# Altium PCB HuaweiInverterMODBUS.PcbDoc (continued)
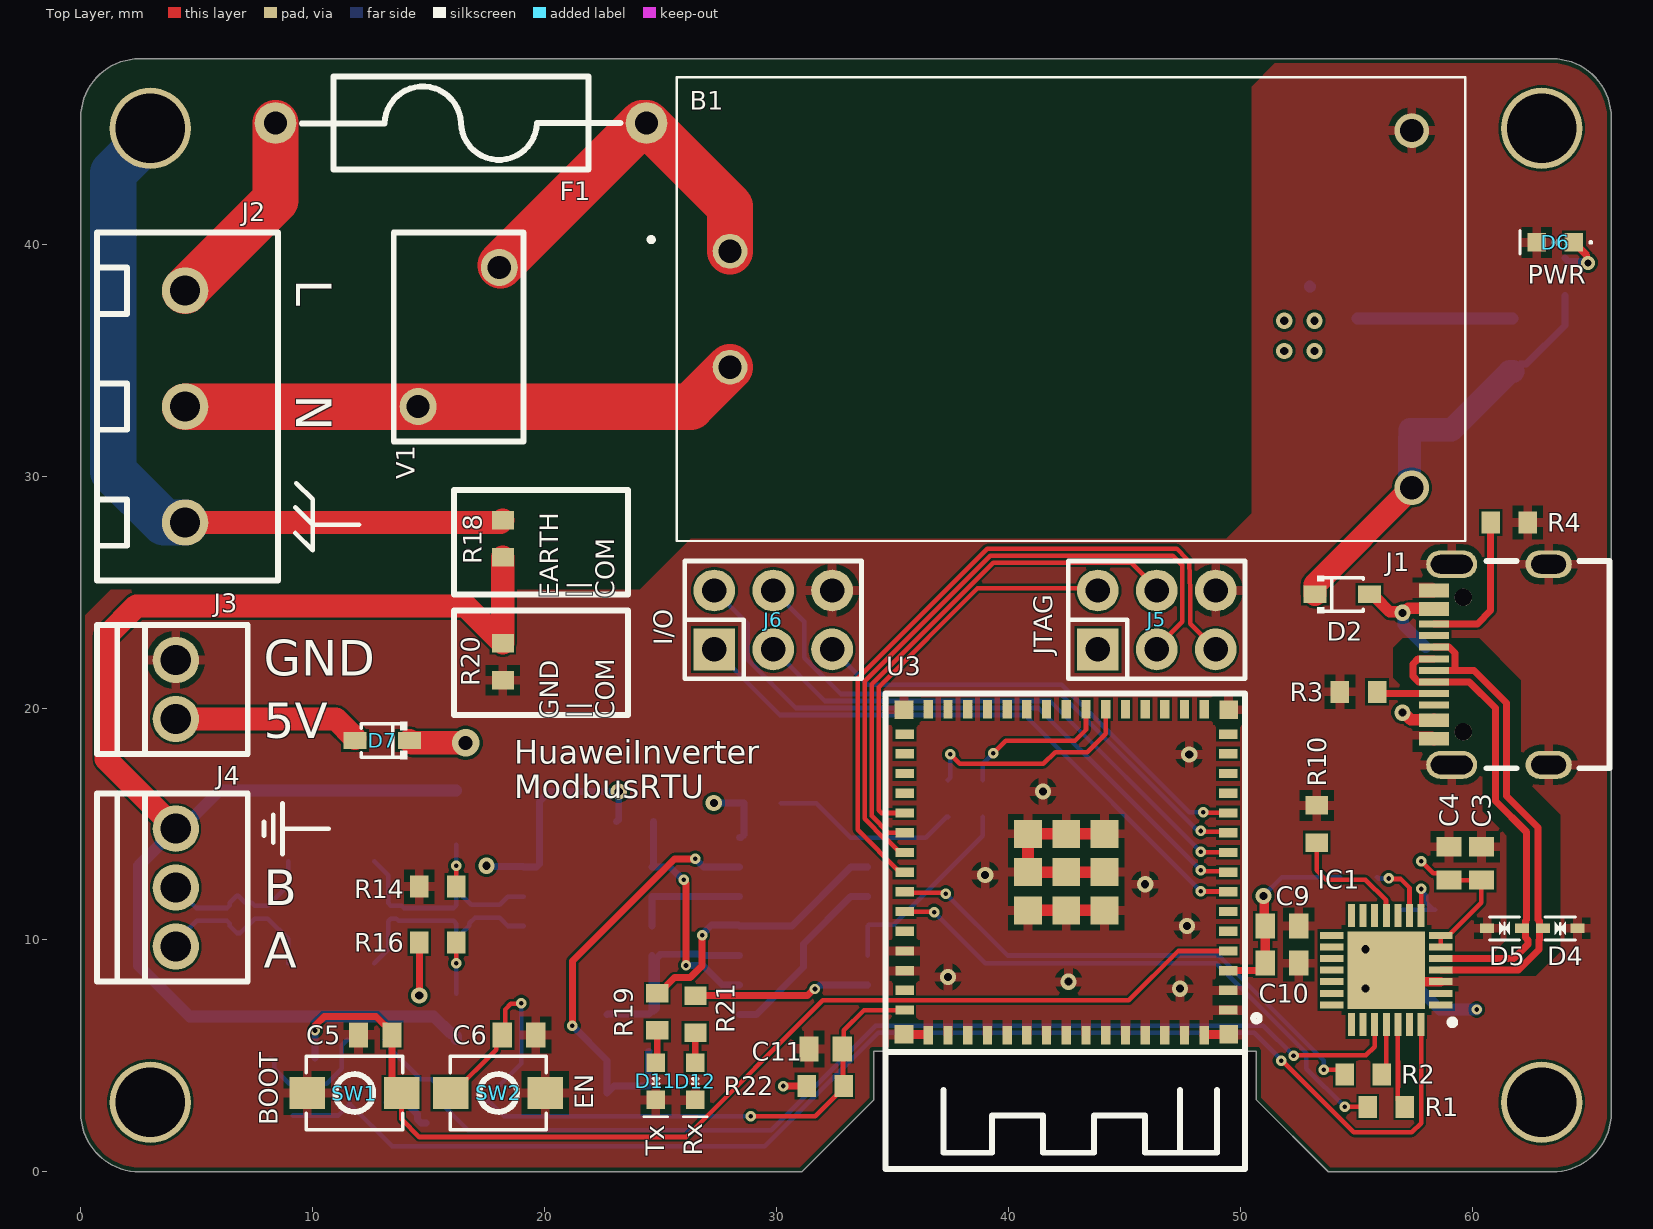
[diagram p0: Top Layer view]
## Components (designator, comment, footprint, x,y, rotation, side; value= is the part's Value field where it differs from the comment) (continued)
R11 "RES_0603_1KOHM_0.1W" RES0603N 55.1,12.7 r0 bottom value=1kΩ
R12 "RES_0603_4.7KOHM_0.1W" RES0603N 29.4,15.9 r180 bottom value=4.7kΩ
R13 "RES_0603_4.7KOHM_0.1W" RES0603N 23.9,15.1 r180 bottom value=4.7kΩ
R14 "RES_0603_4.7KOHM_0.1W" RES0603N 15.4,12.3 r180 top value=4.7kΩ
R15 "RES_0603_120OHM_0.1W" RES0603N 6.8,11.1 r90 bottom value=120Ω
R16 "RES_0603_4.7KOHM_0.1W" RES0603N 15.4,9.9 r0 top value=4.7kΩ
R17 "RES_0603_56KOHM_0.1W" RES0603N 24.5,6 r90 bottom value=56kΩ
R18 "RES_0603_0OHM_0.1W" RES0603N 18.2,27.3 r90 top value=0Ω
R19 "RES_0603_500OHM_0.1W" RES0603N 24.86,6.9 r270 top value=500Ω
R20 "RES_0603_0OHM_0.1W" RES0603N 18.2,22 r270 top value=0Ω
R21 "RES_0603_500OHM_0.1W" RES0603N 26.5,6.8 r270 top value=500Ω
R22 "RES_0603_10KOHM_0.1W" RES0603N 32.1,3.7 r180 top value=10kΩ
R23 "RES_0603_22OHM_0.1W" RES0603N 37.4,16.1 r90 bottom value=22Ω
R24 "RES_0603_22OHM_0.1W" RES0603N 38.8,16.1 r90 bottom value=22Ω
SW1 "HX TS342A2P WZ 250GF" SW-SMD_L4.0-W2.9-LS5.0 11.8,3.4 r0 top
SW2 "HX TS342A2P WZ 250GF" SW-SMD_L4.0-W2.9-LS5.0 18.001,3.401 r180 top
U1 "CD4069UBM/TR" SOIC-14_L8.7-W3.9-P1.27-LS6.0-BL 31.169,10.6 r270 bottom
U2 "MAX485EAS" SOP-8_L5.0-W4.0-P1.27-LS6.0-BL 21.868,11.235 r270 bottom
U3 "ESP32-S3-MINI-1-N4R2" BULETM-SMD_ESP32-S3-MINI-1-N8 42.5,12.925 r180 top
V1 "V275LA4P" RES-TH_L9.0-W5.6-P6.00-D1.0-S3.50 16.3,36 r90 top

## Footprints (in the part's own frame and the unit in brackets; to place one, negate y for a bottom-side part, rotate by r counter-clockwise, add the part's x,y. Pads: shape width x height; smd on the part's side, far side on the other; paste and mask are expansions set on the pad)
BULETM-SMD_ESP32-S3-MINI-1-N8 [mm]
  rect 0.8x0.4 smd paste+0 mask+0.05: 1(-6.975,5.95) 2(-6.975,5.1) 3(-6.975,4.25) 4(-6.975,3.4) 5(-6.975,2.55) 6(-6.975,1.7) 7(-6.975,0.85) 8(-6.975,0) 9(-6.975,-0.85) 10(-6.975,-1.7) 11(-6.975,-2.55) 12(-6.975,-3.4) 13(-6.975,-4.25) 14(-6.975,-5.1) 15(-6.975,-5.95) 31(6.975,-5.95) 32(6.975,-5.1) 33(6.975,-4.25) 34(6.975,-3.4) 35(6.975,-2.55) 36(6.975,-1.7) 37(6.975,-0.85) 38(6.975,0) 39(6.975,0.85) 40(6.975,1.7) 41(6.975,2.55) 42(6.975,3.4) 43(6.975,4.25) 44(6.975,5.1) 45(6.975,5.95)
  rect 0.4x0.8 smd paste+0 mask+0.05: 16(-5.95,-7.025) 17(-5.1,-7.025) 18(-4.25,-7.025) 19(-3.4,-7.025) 20(-2.55,-7.025) 21(-1.7,-7.025) 22(-0.85,-7.025) 23(0,-7.025) 24(0.85,-7.025) 25(1.7,-7.025) 26(2.55,-7.025) 27(3.4,-7.025) 28(4.25,-7.025) 29(5.1,-7.025) 30(5.95,-7.025) 46(5.95,7.025) 47(5.1,7.025) 48(4.25,7.025) 49(3.4,7.025) 50(2.55,7.025) 51(1.7,7.025) 52(0.85,7.025) 53(0,7.025) 54(-0.85,7.025) 55(-1.7,7.025) 56(-2.55,7.025) 57(-3.4,7.025) 58(-4.25,7.025) 59(-5.1,7.025) 60(-5.95,7.025)
  rect 0.8x0.8 smd paste+0 mask+0.05: GND(-7,7) GND(-7,-7) GND(7,7) GND(7,-7)
  rect 1.2x1.2 smd paste+0 mask+0.05: GND(-1.65,1.65) GND(-1.65,0) GND(-1.65,-1.65) GND(0,1.65) GND(0,0) GND(0,-1.65) GND(1.65,1.65) GND(1.65,0) GND(1.65,-1.65)
  silkscreen extent -8.34,-7.7 7.8,12.8, body extent -7.7,-7.75 7.7,12.75, height 2.4
CAP0608N [mm]
  rect 0.83x1.07 smd: 1(-0.72,0) 2(0.72,0)
  body extent -0.8,-0.53 0.8,0.53, height 0.8
CONN-TH_3P-P5.00_WJ126V-5.0-3P [mm]
  round 2 hole 1.3 paste+0 mask+0.051: 1(5,0) 2(-0.001,0) 3(-5,0)
  silkscreen extent -7.5,-4 7.5,3.8, body extent -7.5,-4 7.65,4, height 10
CONN-TH_XY308-2.54-2P [mm]
  round 2 hole 1.3 paste+0 mask+0.051: 1(-1.27,0) 2(1.27,0)
  silkscreen extent -2.78,-3.1 2.78,3.4, body extent -2.84,-3 2.69,3.27, height 8.5
CONN-TH_XY308-2.54-3P [mm]
  round 2 hole 1.3 paste+0 mask+0.051: 1(-2.54,0) 2(0,0) 3(2.54,0)
  silkscreen extent -4.05,-3.1 4.05,3.4, body extent -4.04,-2.98 4.03,3.29, height 8.55
F1812 [mm]
  rect 1.407x3.499 smd paste-100 mask+0.051: 1(-1.853,0) 2(1.853,0)
  silkscreen extent -2.79,-2.03 2.79,2.03, body extent -2.39,-1.65 2.34,1.76, height 0.48
FUSE_TH_3x10 [mm] "GLASS FUSE"
  round 1.8 hole 1 paste+0 mask+0.051: 1(-8.001,0.127) 2(7.999,0.127)
  silkscreen extent -6.87,-1.87 6.87,2.13, body extent -8.37,-1.35 8.38,1.65, height 3
HDR-TH_6P-P2.54-V-M-R2-C3-S2.54-1 [mm]
  rect 1.8x1.8 hole 1.05 paste+0 mask+0.051: 1(-2.54,-1.27)
  round 1.8 hole 1.05 paste+0 mask+0.051: 2(-2.54,1.27) 3(0,-1.27) 4(0,1.27) 5(2.54,-1.27) 6(2.54,1.27)
  silkscreen extent -3.81,-2.54 3.81,2.54, body extent -3.75,-2.62 3.75,2.47, height 10.54
HLKPM01 [mm]
  round 1.5 hole 1: 1(0,0) 2(0,-5) 3(29.4,5.2) 4(29.4,-10.2)
  silkscreen extent -3.5,-12.5 31.7,7.5, body extent -2.27,-12.54 31.73,7.46, height 15.05
LED0603 [mm]
  rect 0.8x0.8 smd: 1(-0.8,0) 2(0.8,0)
  silkscreen extent -1.57,-0.51 1.52,0.51, body extent -0.8,-0.4 0.8,0.4, height 0.8
QFN50P500X500X80-29N-D [mm]
  rect 1x0.3 smd: 1(-2.35,1.5) 2(-2.35,1) 3(-2.35,0.5) 4(-2.35,0) 5(-2.35,-0.5) 6(-2.35,-1) 7(-2.35,-1.5) 15(2.35,-1.5) 16(2.35,-1) 17(2.35,-0.5) 18(2.35,0) 19(2.35,0.5) 20(2.35,1) 21(2.35,1.5)
  rect 0.3x1 smd: 8(-1.5,-2.35) 9(-1,-2.35) 10(-0.5,-2.35) 11(0,-2.35) 12(0.5,-2.35) 13(1,-2.35) 14(1.5,-2.35) 22(1.5,2.35) 23(1,2.35) 24(0.5,2.35) 25(0,2.35) 26(-0.5,2.35) 27(-1,2.35) 28(-1.5,2.35)
  rect 3.35x3.35 smd: 29(0,0)
  silkscreen extent -2.98,2.13 -2.73,2.37, body extent -2.55,-2.55 2.55,2.55, height 0.8
RES0603N [mm]
  rect 0.8x0.95 smd: 1(-0.8,0) 2(0.8,0)
  body extent -0.8,-0.4 0.8,0.4, height 0.55
RES-TH_L9.0-W5.6-P6.00-D1.0-S3.50 [mm]
  round 1.6 hole 1 paste+0 mask+0.051: 1(-3,1.75) 2(3,-1.75)
  silkscreen extent -4.5,-2.8 4.5,2.8, body extent -3.39,-2.32 3.31,2.28, height 7.5
SOD-123_L2.8-W1.8-LS3.7-RD [mm]
  rect 0.95x1.15 smd paste+0 mask+0.051: 1(-1.693,0) 2(1.693,0)
  silkscreen extent -1.58,-0.87 1.41,0.87, body extent -1.92,-0.85 1.92,0.85, height 1.36
SOD-323_L1.8-W1.3-LS2.5-RD [mm]
  rect 1x0.75 smd paste+0 mask+0.051: 1(-1.173,0) 2(1.173,0)
  silkscreen extent -1.08,-0.8 0.9,0.8, body extent -1.35,-0.72 1.35,0.72, height 1.17
SOD-523_L1.2-W0.8-LS1.6-BI [mm]
  rect 0.6x0.4 smd paste+0 mask+0.051: 1(-0.75,0) 2(0.75,0)
  silkscreen extent -0.65,-0.5 0.65,0.5, body extent -0.8,-0.41 0.8,0.4, height 0.59
SOIC-14_L8.7-W3.9-P1.27-LS6.0-BL [mm]
  oval 0.574x2.038 smd paste+0 mask+0.051: 1(-3.81,-2.769) 2(-2.54,-2.769) 3(-1.27,-2.769) 4(0,-2.769) 5(1.27,-2.769) 6(2.54,-2.769) 7(3.81,-2.769) 8(3.81,2.769) 9(2.54,2.769) 10(1.27,2.769) 11(0,2.769) 12(-1.27,2.769) 13(-2.54,2.769) 14(-3.81,2.769)
  silkscreen extent -4.7,-2.92 4.4,1.52, body extent -4.32,-3.02 4.32,3.02, height 1.62
SOP-8_L5.0-W4.0-P1.27-LS6.0-BL [mm]
  oval 0.574x2.036 smd paste+0 mask+0.051: 1(-1.905,-2.768) 2(-0.635,-2.768) 3(0.635,-2.768) 4(1.905,-2.768) 5(1.905,2.768) 6(0.635,2.768) 7(-0.635,2.768) 8(-1.905,2.768)
  silkscreen extent -2.79,-2.92 2.53,1.52, body extent -2.5,-3.11 2.5,3.11, height 1.87
SOT229P700X180-4N [mm]
  rect 1.3x0.95 smd: 1(-3.35,2.29) 2(-3.35,0) 3(-3.35,-2.29)
  rect 1.3x3.25 smd: 4(3.35,0)
  silkscreen extent -4,-3.25 1.75,3.25, body extent -3.37,-3.25 3.63,3.25, height 1.8
SOT-23-3_L2.9-W1.6-P1.90-LS2.8-BR [mm]
  rect 1.07x0.6 smd paste+0 mask+0.051: 1(1.235,-0.95) 2(1.235,0.95) 3(-1.235,0)
  silkscreen extent -0.88,-1.54 0.88,1.54, body extent -1.42,-1.5 1.42,1.5, height 1.2
SW-SMD_L4.0-W2.9-LS5.0 [mm]
  rect 1.53x1.36 smd paste+0 mask+0.051: 1(-2.035,0) 2(2.035,0)
  silkscreen extent -2.08,-1.58 2.08,1.58, body extent -2.5,-1.5 2.5,1.5, height 1.93
USBC_SMD_TH [mm]
  oval 1.2x2.2 hole 0.8 slot 1.8 at 90 deg paste+0 mask+0.051: 0(0,0) 1(8.65,0)
  oval 1.2x2 hole 0.8 slot 1.5 at 90 deg paste+0 mask+0.051: 2(8.65,-4.18) 3(0,-4.18)
  rect 0.3x1.3 smd paste-100 mask+0.051: A1(0.975,0.768) A4(1.775,0.768) A5(3.075,0.768) A6(4.075,0.768) A7(4.575,0.769) A8(5.575,0.768) A9(6.875,0.768) A12(7.675,0.769) B1(7.375,0.769) B4(6.575,0.768) B5(6.075,0.768) B6(5.075,0.768) B7(3.575,0.769) B8(2.575,0.768) B9(2.075,0.768) B12(1.275,0.769)
  round 0.75 hole 0.75 unplated paste+0: ""(1.425,-0.5) ""(7.225,-0.5)
  silkscreen extent -0.14,-6.8 8.8,-1.5, body extent -0.15,-6.3 8.79,0.45, height 3.27

## Part data
B1: "3W Ultra-compact power module / In: 100-240Vac / Out: 5Vdc 0.6A", Manufacturer_Name=Hi-Link, Datasheet Link=https://datasheet.lcsc.com/szlcsc/1906201102_HI-LINK-HLK-PM03_C209904.pdf, Geometry.Height=15mm, Manufacturer_Part_Number=HLK-PM01
B2: "1A 3.3VDC LOW DROPOUT VOLTAGE REGULATOR, SOT-223", Manufacturer_Name="Advanced Monolithic Systems", Manufacturer_Part_Number=ams1117-3.3v, Datasheet Link=http://www.advanced-monolithic.com/pdf/ds1117.pdf, Geometry.Height=1.8mm
C1 C2: "Condensadores de cerámica multicapa (MLCC- SMD/SMT) 22uF+/-20% 10V X5R 0603", Manufacturer_Name=SAMSUNG, Mouser Part Number=187-CL10A226MP8NUNE, Datasheet Link=https://datasheet.datasheetarchive.com/originals/distributors/Datasheets-DGA10/2407063.pdf, Geometry.Height=1.05mm, Manufacturer_Part_Number=CL10A226MP8NUNE, Mouser Price/Stock=https://www.mouser.co.uk/ProductDetail/Samsung-Electro-Mechanics/CL10A226MP8NUNE?qs=gRKWieUq2Hb5O0PTfRKzDQ%3D%3D
C3 C5 C6 C7 C9 C11: "Condensadores de cerámica multicapa (MLCC- SMD/SMT) 0.1uF+/-20% 50V X5R 0603", Manufacturer_Name=SAMSUNG, Manufacturer_Part_Number=CL10A226MP8NUNE, Mouser Part Number=187-CL10A226MP8NUNE, Datasheet Link=https://datasheet.datasheetarchive.com/originals/distributors/Datasheets-DGA10/2407063.pdf, Geometry.Height=1.05mm, Mouser Price/Stock=https://www.mouser.co.uk/ProductDetail/Samsung-Electro-Mechanics/CL10A226MP8NUNE?qs=gRKWieUq2Hb5O0PTfRKzDQ%3D%3D
C4: "Condensadores de cerámica multicapa (MLCC- SMD/SMT) 4.7uF+/-20% 10V X5R 0603", Manufacturer_Name=SAMSUNG, Manufacturer_Part_Number=CL10A226MP8NUNE, Mouser Part Number=187-CL10A226MP8NUNE, Datasheet Link=https://datasheet.datasheetarchive.com/originals/distributors/Datasheets-DGA10/2407063.pdf, Geometry.Height=1.05mm, Mouser Price/Stock=https://www.mouser.co.uk/ProductDetail/Samsung-Electro-Mechanics/CL10A226MP8NUNE?qs=gRKWieUq2Hb5O0PTfRKzDQ%3D%3D
C8: "Condensadores de cerámica multicapa (MLCC- SMD/SMT) 0.1uF+/-5% 50V C0G 0603", Manufacturer_Name=SAMSUNG, Manufacturer_Part_Number=CL10A226MP8NUNE, Mouser Part Number=187-CL10A226MP8NUNE, Datasheet Link=https://datasheet.datasheetarchive.com/originals/distributors/Datasheets-DGA10/2407063.pdf, Geometry.Height=1.05mm, Mouser Price/Stock=https://www.mouser.co.uk/ProductDetail/Samsung-Electro-Mechanics/CL10A226MP8NUNE?qs=gRKWieUq2Hb5O0PTfRKzDQ%3D%3D
C10: library part CL10A226MP8NUNE, "Condensadores de cerámica multicapa (MLCC- SMD/SMT) 22uF+/-20% 10V X5R 0603", Manufacturer_Name=SAMSUNG, Mouser Part Number=187-CL10A226MP8NUNE, Datasheet Link=https://datasheet.datasheetarchive.com/originals/distributors/Datasheets-DGA10/2407063.pdf, Geometry.Height=1.05mm, Manufacturer_Part_Number=CL10A226MP8NUNE, Mouser Price/Stock=https://www.mouser.co.uk/ProductDetail/Samsung-Electro-Mechanics/CL10A226MP8NUNE?qs=gRKWieUq2Hb5O0PTfRKzDQ%3D%3D
D1 D8 D9: "14.5V 6V 5V SOD-323 TVS ROHS", JLCPCB Part Class="Extended Part", Manufacturer=BOURNS, Contributor=lcsc, MPN=CDSOD323-T05SC, spicePre=D, spiceSymbolName=CDSOD323-T05SC, Supplier=LCSC, Supplier Part=C840636
D2 D7: "30V 550mV@1A 1A SOD-323 Schottky Barrier Diodes (SBD) ROHS", JLCPCB Part Class="Extended Part", Manufacturer="Diodes Incorporated", Contributor=LCSC, MPN=BAT760-7, spicePre=D, spiceSymbolName=BAT760-7, Supplier=LCSC, Supplier Part=C124187
D3 D4 D5: "5.6V 18.6V 5V Bi-Directional SOD-523 ESD Protection Devices ROHS", JLCPCB Part Class="Extended Part", Manufacturer=LRC, Contributor=LCSC, MPN=LESD5D5.0CT1G, spicePre=D, spiceSymbolName=LESD5D5.0CT1G, Supplier=LCSC, Supplier Part=C383211
D6 D12: library part MHT192JGCT, "0603 Green Led", Geometry.Height=0.8mm
D10: "Diode 100V 500mW Single 1.25V@150mA 4ns 150mA SOD-123 Switching Diode ROHS", JLCPCB Part Class="Extended Part", Manufacturer=CJ, MPN=1N4148W, spicePre=D, spiceSymbolName="1N4148W T4", Supplier=LCSC, Supplier Part=C2099
D11: library part MHT192CRCT, "0603 Red Led", Geometry.Height=0.8mm
F1: library part FUSE_TH_10x3_GLASS, "Fuse 1A AC250V", Manufacturer=Hongda, MPN=31FC1A250V
F2 F3: "Resettable Fuses 60V 100mA 40A 300mA 1812 Resettable Fuses ROHS", JLCPCB Part Class="Extended Part", Manufacturer=BOURNS, MPN=MF-MSMF010-2, spicePre=F, spiceSymbolName=MF-MSMF010-2, Supplier=LCSC, Supplier Part=C12430
IC1: "CI de interfaz USB USBXpress - USB to UART Bridge QFN28", Manufacturer_Name="Silicon Labs", Mouser Part Number=634-CP2102NA02GQFN28, Arrow Part Number=CP2102N-A02-GQFN28, Arrow Price/Stock=https://www.arrow.com/en/products/cp2102n-a02-gqfn28/silicon-labs?region=europe, Datasheet Link=https://componentsearchengine.com/Datasheets/2/CP2102N-A02-GQFN28.pdf, Height=0.8mm, Manufacturer_Part_Number=CP2102N-A02-GQFN28, Mouser Price/Stock=https://www.mouser.co.uk/ProductDetail/Silicon-Labs/CP2102N-A02-GQFN28?qs=u16ybLDytRaSBkSkyjYFiA%3D%3D
J1: library part "USB-C 16PIN CONNECTOR", "3A Surface Mount 16P Female -25℃~+85℃ Type-C SMD USB Connectors ROHS", Manufacturer=Dealon, MPN=USB-TYPE-C-018
J2: "1x3P 18A -40℃~+105℃ 250V Green 14~26 Straight pin 5mm 2.5 1 3 Plugin,P=5mm Screw terminal ROHS", JLCPCB Part Class="Extended Part", Manufacturer=KANGNEX, MPN=WJ126V-5.0-3P, spicePre=P, spiceSymbolName=WJ126V-5.0-3P, Supplier=LCSC, Supplier Part=C8401
J3: "1x2P 6A 150V Green 18~26 Straight pin 2.54mm 1 1 2 Plugin,P=2.54mm Screw terminal ROHS", JLCPCB Part Class="Extended Part", Manufacturer=XINLAIYA, Contributor=LCSC, MPN=XY308-2.54-2P, spicePre=U, spiceSymbolName=XY308-2.54-2P, Supplier=LCSC, Supplier Part=C557685
J4: "Screw Terminal 1x3P 6A 150V Green 18~26 Straight pin 2.54mm 1 1 3 Plugin,P=2.54mm ROHS", JLCPCB Part Class="Extended Part", Manufacturer=XINLAIYA, Contributor=LCSC, MPN=XY308-2.54-3P, spicePre=U, spiceSymbolName=XY308-2.54-3P, Supplier=LCSC, Supplier Part=C557686
J5 J6: "Pin Header Straight 6P 2.54mm Black Plugin,P=2.54mm Pin Headers ROHS", JLCPCB Part Class="Extended Part", Manufacturer=BOOMELE, MPN=2.54-2*3P针, spicePre=J, spiceSymbolName=Header-Male-2.54_2x3, Supplier=LCSC, Supplier Part=C65114
Q1 Q2: "25V 300mW 120@100mA,1V 1.5A NPN SOT-23 Bipolar Transistors - BJT ROHS", JLCPCB Part Class="Extended Part", Manufacturer="Jiangsu Changjing Electronics Technology", Contributor=LCSC, MPN=SS8050-G, spicePre=Q, spiceSymbolName=SS8050-G, Supplier=LCSC, Supplier Part=C164886
R1 R2 R23 R24: "Res Thick Film 0603 22 Ohm 1% 0.1W(1/10W) +/-100ppm/C Epoxy Pad SMD T/R", Manufacturer=Yageo, Manufacturer_Name=YAGEO, Manufacturer_Part_Number=RC0603FR-071KL, Mouser Part Number=603-RC0603FR-071KL, MPN=RT0603FRE075K1L, Datasheet Link=https://www.yageo.com/upload/media/product/productsearch/datasheet/rchip/PYu-RC_Group_51_RoHS_L_12.pdf, Geometry.Height=0.55mm, Mouser Price/Stock=https://www.mouser.co.uk/ProductDetail/YAGEO/RC0603FR-071KL?qs=VU8sRB4EgwApHsk4rF%2F3zg%3D%3D
R3 R4: "Res Thick Film 0603 5.1K Ohm 1% 0.1W(1/10W) +/-100ppm/C Epoxy Pad SMD T/R", Manufacturer=Yageo, Manufacturer_Name=YAGEO, Manufacturer_Part_Number=RC0603FR-071KL, Mouser Part Number=603-RC0603FR-071KL, MPN=RT0603FRE075K1L, Datasheet Link=https://www.yageo.com/upload/media/product/productsearch/datasheet/rchip/PYu-RC_Group_51_RoHS_L_12.pdf, Geometry.Height=0.55mm, Mouser Price/Stock=https://www.mouser.co.uk/ProductDetail/YAGEO/RC0603FR-071KL?qs=VU8sRB4EgwApHsk4rF%2F3zg%3D%3D
R5 R11: "Res Thick Film 0603 1K Ohm 1% 0.1W(1/10W) +/-100ppm/C Epoxy Pad SMD T/R", Manufacturer=Yageo, Manufacturer_Name=YAGEO, Manufacturer_Part_Number=RC0603FR-071KL, Mouser Part Number=603-RC0603FR-071KL, Datasheet Link=https://www.yageo.com/upload/media/product/productsearch/datasheet/rchip/PYu-RC_Group_51_RoHS_L_12.pdf, Geometry.Height=0.55mm, Mouser Price/Stock=https://www.mouser.co.uk/ProductDetail/YAGEO/RC0603FR-071KL?qs=VU8sRB4EgwApHsk4rF%2F3zg%3D%3D, MPN=RC0603FR-071KL
R6 R8 R10 R22: "Res Thick Film 0603 10K Ohm 1% 0.1W(1/10W) +/-100ppm/C Epoxy Pad SMD T/R", Manufacturer=Yageo, Manufacturer_Name=YAGEO, Manufacturer_Part_Number=RC0603FR-071KL, Mouser Part Number=603-RC0603FR-071KL, MPN=RT0603FRE075K1L, Datasheet Link=https://www.yageo.com/upload/media/product/productsearch/datasheet/rchip/PYu-RC_Group_51_RoHS_L_12.pdf, Geometry.Height=0.55mm, Mouser Price/Stock=https://www.mouser.co.uk/ProductDetail/YAGEO/RC0603FR-071KL?qs=VU8sRB4EgwApHsk4rF%2F3zg%3D%3D
R7: "Res Thick Film 0603 22.1K Ohm 1% 0.1W(1/10W) +/-100ppm/C Epoxy Pad SMD T/R", Manufacturer=Yageo, Manufacturer_Name=YAGEO, Manufacturer_Part_Number=RC0603FR-071KL, Mouser Part Number=603-RC0603FR-071KL, MPN=RT0603FRE075K1L, Datasheet Link=https://www.yageo.com/upload/media/product/productsearch/datasheet/rchip/PYu-RC_Group_51_RoHS_L_12.pdf, Geometry.Height=0.55mm, Mouser Price/Stock=https://www.mouser.co.uk/ProductDetail/YAGEO/RC0603FR-071KL?qs=VU8sRB4EgwApHsk4rF%2F3zg%3D%3D
R9: "Res Thick Film 0603 47.5K Ohm 1% 0.1W(1/10W) +/-100ppm/C Epoxy Pad SMD T/R", Manufacturer=Yageo, Manufacturer_Name=YAGEO, Manufacturer_Part_Number=RC0603FR-071KL, Mouser Part Number=603-RC0603FR-071KL, MPN=RT0603FRE075K1L, Datasheet Link=https://www.yageo.com/upload/media/product/productsearch/datasheet/rchip/PYu-RC_Group_51_RoHS_L_12.pdf, Geometry.Height=0.55mm, Mouser Price/Stock=https://www.mouser.co.uk/ProductDetail/YAGEO/RC0603FR-071KL?qs=VU8sRB4EgwApHsk4rF%2F3zg%3D%3D
R12 R13 R14 R16: "Res Thick Film 0603 4.7K Ohm 1% 0.1W(1/10W) +/-100ppm/C Epoxy Pad SMD T/R", Manufacturer=Yageo, Manufacturer_Name=YAGEO, Manufacturer_Part_Number=RC0603FR-071KL, Mouser Part Number=603-RC0603FR-071KL, MPN=RT0603FRE075K1L, Datasheet Link=https://www.yageo.com/upload/media/product/productsearch/datasheet/rchip/PYu-RC_Group_51_RoHS_L_12.pdf, Geometry.Height=0.55mm, Mouser Price/Stock=https://www.mouser.co.uk/ProductDetail/YAGEO/RC0603FR-071KL?qs=VU8sRB4EgwApHsk4rF%2F3zg%3D%3D
R15: "Res Thick Film 0603 120 Ohm 1% 0.1W(1/10W) +/-100ppm/C Epoxy Pad SMD T/R", Manufacturer=Yageo, Manufacturer_Name=YAGEO, Manufacturer_Part_Number=RC0603FR-071KL, Mouser Part Number=603-RC0603FR-071KL, MPN=RT0603FRE075K1L, Datasheet Link=https://www.yageo.com/upload/media/product/productsearch/datasheet/rchip/PYu-RC_Group_51_RoHS_L_12.pdf, Geometry.Height=0.55mm, Mouser Price/Stock=https://www.mouser.co.uk/ProductDetail/YAGEO/RC0603FR-071KL?qs=VU8sRB4EgwApHsk4rF%2F3zg%3D%3D
R17: "Res Thick Film 0603 56K Ohm 1% 0.1W(1/10W) +/-100ppm/C Epoxy Pad SMD T/R", Manufacturer=Yageo, Manufacturer_Name=YAGEO, Manufacturer_Part_Number=RC0603FR-071KL, Mouser Part Number=603-RC0603FR-071KL, MPN=RT0603FRE075K1L, Datasheet Link=https://www.yageo.com/upload/media/product/productsearch/datasheet/rchip/PYu-RC_Group_51_RoHS_L_12.pdf, Geometry.Height=0.55mm, Mouser Price/Stock=https://www.mouser.co.uk/ProductDetail/YAGEO/RC0603FR-071KL?qs=VU8sRB4EgwApHsk4rF%2F3zg%3D%3D
R18 R20: library part RES_0603_0HM_0.1W_1, "Res Thick Film 0603 0 Ohm 1% 0.1W(1/10W) +/-100ppm/C Epoxy Pad SMD T/R", Manufacturer=Yageo, Manufacturer_Name=YAGEO, Manufacturer_Part_Number=RC0603FR-071KL, Mouser Part Number=603-RC0603FR-071KL, MPN=RT0603FRE075K1L, Datasheet Link=https://www.yageo.com/upload/media/product/productsearch/datasheet/rchip/PYu-RC_Group_51_RoHS_L_12.pdf, Geometry.Height=0.55mm, Mouser Price/Stock=https://www.mouser.co.uk/ProductDetail/YAGEO/RC0603FR-071KL?qs=VU8sRB4EgwApHsk4rF%2F3zg%3D%3D
R19 R21: "Res Thick Film 0603 500 Ohm 1% 0.1W(1/10W) +/-100ppm/C Epoxy Pad SMD T/R", Manufacturer=Yageo, Manufacturer_Name=YAGEO, Manufacturer_Part_Number=RC0603FR-071KL, Mouser Part Number=603-RC0603FR-071KL, MPN=RT0603FRE075K1L, Datasheet Link=https://www.yageo.com/upload/media/product/productsearch/datasheet/rchip/PYu-RC_Group_51_RoHS_L_12.pdf, Geometry.Height=0.55mm, Mouser Price/Stock=https://www.mouser.co.uk/ProductDetail/YAGEO/RC0603FR-071KL?qs=VU8sRB4EgwApHsk4rF%2F3zg%3D%3D
SW1 SW2: "SMD Tactile Switches ROHS", JLCPCB Part Class="Extended Part", Manufacturer=Hanxia, MPN="HX TS342A2P WZ 250gf", Contributor=lcsc, spicePre=S, spiceSymbolName="HX TS342A2P WZ 250GF", Supplier=LCSC, Supplier Part=C5143624
U1: "SOIC-14 Inverters ROHS", JLCPCB Part Class="Extended Part", Manufacturer=HGSEMI, Contributor=LCSC, MPN=CD4069UBM/TR, spicePre=U, spiceSymbolName=CD4069UBM/TR, Supplier=LCSC, Supplier Part=C194330
U2: "SOP-8 RS-485/RS-422 ICs ROHS", JLCPCB Part Class="Extended Part", Manufacturer=UMW, MPN=MAX485ESA, Contributor=LCSC, spicePre=U, spiceSymbolName=MAX485EAS, Supplier=LCSC, Supplier Part=C668206
U3: "ESP32-S3 Mini SMD WiFi Modules ROHS", JLCPCB Part Class="Extended Part", Manufacturer=ESPRESSIF, Contributor=lcsc, MPN=ESP32-S3-MINI-1-N4R2, spicePre=U, spiceSymbolName=ESP32-S3-MINI-1-N4R2, Supplier=LCSC, Supplier Part=C3013941
V1: "Plugin Varistors 275Vrms  ROHS", JLCPCB Part Class="Extended Part", Manufacturer=Littelfuse, Contributor=LCSC, MPN=V275LA4P, spicePre=R, spiceSymbolName=V275LA4P, Supplier=LCSC, Supplier Part=C129558

## Free pads (board coordinates)
  round 3.5 hole 3 unplated: 1(3,3) 1(3,45) 1(63,3) 1(63,45)

## Via types
v1: diameter 0.45, hole 0.2, Top Layer to Bottom Layer, tented both sides, 29 vias
v2: diameter 0.7, hole 0.35, Top Layer to Bottom Layer, tented both sides, 11 vias
v3: diameter 0.7, hole 0.35, Top Layer to Bottom Layer, tented bottom, 8 vias
v4: diameter 0.7, hole 0.35, Top Layer to Bottom Layer, 2 vias
v5: diameter 1.2, hole 0.6, Top Layer to Bottom Layer, tented both sides, 1 vias
v6: diameter 0.6, hole 0.3, Top Layer to Bottom Layer, tented both sides, 1 vias

## Nets (pads, with @x,y where several pads share a name; then routed paths per layer and width w, separated by ;. In a path a pad name is that pad's centre, name@x,y a point inside that pad or via, vN(x,y) a via of type N, cw(c..) or ccw(c..) an arc to the next point about the centre after c; other vN are vias at no path point)
3V3: B2.2 B2.4 C2.2 C3.2 C4.2 C7.2 C9.2 C10.2 IC1.6 IC1.7 J5.1 R11.1 R12.2 R13.2 R16.1 R22.2 U1.14 U2.8 U3.3 | length 38
  Top Layer w0.2: C10.2@50.765,8.675 51.08,8.99 C10.2 ; v1(57.8,13.4) 58.323,12.877 58.703,12.877 C4.2 C3.2 60.4,11.6 59,10.2 IC1.7 IC1.6
  Top Layer w0.3: v2(14.6,7.6) R16.1 ; v1(30.3,3.7) R22.2 ; U3.3 C10.2@50.765,8.675
  Top Layer w0.4: v2(51,11.9) 51.04,11.86 51.04,10.64 C9.2 C10.2
  Bottom Layer w0.2: v2(51,11.9) 51.8,12.7 R11.1
  Bottom Layer w0.3: v2(17.5,13.2) 17.53,13.17 19.07,13.17 U2.8 19.653,13.14 19.78,13.267 C7.2 19.78,15.98 20.2,16.4 v2(23.2,16.4) 23.2,15.2 R13.2 ; v2(27.3,15.9) R12.2 28.6,14.537 28.473,14.41 U1.14
  Bottom Layer w0.5: C2.2@53,38.18 C2.2@53.015,38.165 ; B2.4@55.065,36.815 B2.4 B2.2
  other v2: 51.9,35.4 53.2,35.4 51.9,36.7 53.2,36.7
5V0: B1.4 B2.3 C1.2 D2.1 D7.1 R5.2 | length 66.5
  Top Layer w1: D7.1 14.273,18.5 v5(16.6,18.5) ; D2.1 53.227,25.327 B1.4
  PWR w1: v5(16.6,18.5) 32.4,18.5 40.7,26.8 52.2,26.8 54.9,29.5 B1.4
  Bottom Layer w0.3: B2.3 62.075,34.835 62.335,34.835 64,36.5 R5.2
  Bottom Layer w1: B1.4 57.304,29.596 57.304,31.496 C1.2 59.115,32 61.625,34.51 B2.3
COM: D1.1 D9.2 J4.3 R18.1 R20.1 | length 66
  Top Layer w1: J4.3 1.1,17.8 1.1,23.1 2.4,24.4 16.6,24.4 R20.1 R18.1
  Bottom Layer w0.5: D9.2@16.2,5.727 16.2,5.852 16.075,5.977 15.95,5.977 15.227,6.7 4.7,6.7 2.5,8.9 2.5,13.2 J4.3 4.345,14.8 5.99,16.445 D1.1@16.2,16.445
EARTH: J2.3 pad.1@3,45 R18.2 | length 33.2
  Top Layer w1: J2.3 18.1,28 R18.2
  Bottom Layer w2: pad.1@3,45 3,44.678 1.4,43.078 1.4,30.2 3.6,28 J2.3
GND: B1.3 B2.1 C1.1 C2.1 C3.1 C4.1 C5.1 C6.1 C7.1 C8.2 C9.1 C10.1 C11.2 D3.1 D4.2 D5.2 D6.2 D11.2 D12.2 IC1.3 IC1.29 J1.0 J1.1 J1.2 J1.3 J1.A1 J1.A12 J1.B1 J1.B12 J3.2 J5.6 J6.6 R3.2 R4.1 R9.1 R10.1 R14.2 R20.2 SW1.1 SW2.1 U1.7 U2.5 U3.1 U3.2 U3.42 U3.43 U3.46 U3.47 U3.48 U3.49 U3.50 U3.51 U3.52 U3.53 U3.54 U3.55 U3.56 U3.57 U3.58 U3.59 U3.60 U3.GND | length 16.9
  Top Layer w0.3: J1.B1 J1.A12 ; J1.A1 J1.B12
  Top Layer w0.4: U3.GND@35.5,5.925 36.55,5.925 U3.46 ; U3.60 48.45,5.925 U3.GND@49.5,5.925 ; IC1.29 56.8,8.2 IC1.3
  Top Layer w0.5: U3.GND@40.85,11.275 42.5,11.275 U3.GND@44.15,11.275 ; U3.GND@44.15,12.925 42.5,12.925 40.85,12.925 40.85,14.575 42.5,14.575 U3.GND@44.15,14.575
  other v3: 47.4,7.9 42.6,8.2 37.4,8.4 47.7,10.6 45.9,12.4 39,12.8 41.5,16.4 47.8,18
  other v4: 55.4,7.9 55.4,9.6
NetB1_1: B1.1 F1.2 V1.2 | length 31.7
  Top Layer w2: V1.2@18.1,39.1 24.227,45.227 F1.2 28,41.626 B1.1
  PWR w2: V1.2@18.1,39.1 24.227,45.227 F1.2 28,41.626 B1.1
NetB1_2: B1.2 J2.2 V1.1 | length 48.4
  Top Layer w2: J2.2 14.549,32.999 V1.1 26.3,33 B1.2
  PWR w2: J2.2 V1.1@14.499,32.999 ; V1.1 26.3,33 B1.2
NetC5_2: C5.2 Q2.2 SW1.2 U3.4 | length 48.4
  Top Layer w0.2: SW1.2 13.835,2.265 14.6,1.5 26.1,1.5 32,7.4 45.2,7.4 47.325,9.525 U3.4
  Top Layer w0.3: v1(10.101,6.098) 10.103,6.099 10.103,6.303 10.5,6.7 12.74,6.7 13.42,6.02 C5.2 13.42,3.815 SW1.2
  Bottom Layer w0.3: Q2.2 v1(10.101,6.098)
NetC6_2: C6.2 C11.1 Q1.3 R22.1 SW2.2 U3.45 | length 32.1
  Top Layer w0.2: SW2.2 16.051,3.401 17.915,5.265 17.915,5.635 C6.2 18.3,6.02 18.3,7 18.548,7.248 18.964,7.248 v1(18.993,7.276) ; v1(28.9,2.4) 31.675,2.4 32.9,3.625 R22.1 32.87,3.73 32.87,5.27 C11.1 32.9,5.36 32.9,6.1 33.775,6.975 U3.45
  Bottom Layer w0.2: v1(18.993,7.276) 18.993,4.673 Q1.3 17.605,3.05 18.255,2.4 v1(28.9,2.4)
NetC8_1: C8.1 D10.2 R17.1 U1.13 | length 18.9
  Top Layer w0.3: v1(21.2,6.3) 21.2,9.1 25.6,13.5 v1(26.5,13.5)
  Bottom Layer w0.3: v1(21.2,6.3) 22.7,4.8 D10.2 23,3.7 C8.1 24.48,5.18 R17.1 ; v1(26.5,13.5) 26.86,13.14 U1.13
NetD6_1: D6.1 R5.1 | length 2.2
  Top Layer w0.3: D6.1 64.943,39.526 64.943,39.257 v6(65,39.2)
  Bottom Layer w0.3: R5.1 64.143,39.257 64.943,39.257 v6(65,39.2)
NetD7_2: D7.2 J3.1 | length 8.1
  Top Layer w1: J3.1 10.997,19.53 D7.2@11.827,18.7
NetD10_1: D10.1 R17.2 U1.10 U2.4 | length 10.5
  Bottom Layer w0.3: D10.1 22.715,6.8 R17.2 R17.2@24.636,6.936 ; U2.4 R17.2@24.636,6.936 ; U1.10 26.753,9.33 26.681,9.402 25.892,9.402 25.872,9.382 25.004,9.382 24.825,9.203 24.825,7.05 24.71,6.936 R17.2@24.636,6.936
NetD11_1: D11.1 R19.2 | length 1.4
  Top Layer w0.3: D11.1@24.86,4.7 R19.2
NetD12_1: D12.1 R21.2 | length 1.3
  Top Layer w0.3: D12.1 R21.2
NetF1_1: F1.1 J2.1 | length 17.7
  Top Layer w2: J2.1 8.399,41.899 F1.1
  PWR w2: J2.1 8.399,41.899 F1.1
NetIC1_8: IC1.8 R7.2 R9.2 | length 3.8
  Top Layer w0.2: IC1.8 v1(57.8,12.2)
  Bottom Layer w0.2: R7.2 R9.2 58.325,11.3 58.025,11.6 58.025,11.907 57.8,12.132 v1(57.8,12.2)
NetIC1_9: IC1.9 R11.2 | length 2.8
  Top Layer w0.2: v1(56.398,12.653) 56.421,12.629 56.923,12.629 57.3,12.252 IC1.9
  Bottom Layer w0.2: R11.2 55.947,12.653 v1(56.398,12.653)
NetIC1_11: IC1.11 R10.2 | length 5.4
  Top Layer w0.2: R10.2 53.3,13 53.7,12.6 55.4,12.6 56.288,11.712 56.288,11.062 IC1.11
NetIC1_24: IC1.24 Q1.2 R8.2 | length 48.3
  Top Layer w0.2: v1(52.3,5) 52.322,5.022 55.422,5.022 55.8,5.4 IC1.24
  Bottom Layer w0.2: R8.2 13.35,5.45 13.35,5.315 14.665,4 Q1.2 15.135,4 15.285,3.85 15.285,3.215 16.7,1.8 29.773,1.8 34.275,6.301 34.872,6.301 50.998,6.302 v1(52.3,5)
NetIC1_25: IC1.25 R2.1 | length 2.2
  Top Layer w0.2: R2.1@56.3,4.2 IC1.25
NetIC1_26: IC1.26 R1.1 | length 3.7
  Top Layer w0.2: IC1.26 56.8,4.76 56.802,4.758 56.802,3.642 56.8,3.64 56.8,3.1 R1.1
NetIC1_28: IC1.28 Q2.3 R6.2 | length 57.9
  Top Layer w0.2: v1(51.764,4.786) 51.814,4.786 54.9,1.7 57.4,1.7 57.8,2.1 IC1.28
  Bottom Layer w0.2: Q2.3 11.105,2.43 R6.2@11.6,2.925 ; R6.2 R6.2@11.6,2.925 ; 34.997,6 34.4,6 29.5,1.1 27,1.1 13.425,1.1 R6.2@11.6,2.925 ; 34.998,6 50.6,6 51.764,4.836 v1(51.764,4.786)
NetJ1_A5: J1.A5 R3.1 | length 2.4
  Top Layer w0.3: R3.1 55.975,20.625 J1.A5@58.3,20.625
NetJ1_B5: J1.B5 R4.2 | length 6.5
  Top Layer w0.3: J1.B5 60.225,23.625 60.8,24.2 R4.2@60.8,27.991
NetJ5_2: J5.2 U3.35 | length 17.7
  Top Layer w0.2: U3.35 34.522,15.475 34.405,15.592 34.405,20.905 38.67,25.17 J5.2@43.86,25.17
NetJ5_3: J5.3 U3.37 | length 28.4
  Top Layer w0.2: U3.37 35.325,13.775 34.777,14.323 34.7,14.323 33.802,15.222 33.802,21.155 39.22,26.573 47.095,26.573 47.154,26.515 ; J5.3@46.4,22.63 47.5,23.73 47.5,25.011 47.502,25.012 47.502,26.167 47.441,26.227 47.154,26.514
NetJ5_4: J5.4 U3.36 | length 22.3
  Top Layer w0.2: U3.36 34.825,14.625 34.103,15.347 34.103,21.03 39.345,26.272 45.298,26.272 J5.4@46.4,25.17
NetJ5_5: J5.5 U3.38 | length 30.4
  Top Layer w0.2: U3.38 35.325,12.925 33.5,14.75 33.5,21.28 39.095,26.875 47.267,26.875 47.369,26.774 47.802,26.293 47.839,25.037 47.839,23.631 J5.5
NetJ6_1: J6.1 U3.7 | length 26.5
  Top Layer w0.2: v1(48.3,12.1) 48.312,12.088 49.463,12.088 U3.7
  Bottom Layer w0.2: J6.1 30.15,19.7 40.7,19.7 v1(48.3,12.1)
NetJ6_2: J6.2 U3.8 | length 28.1
  Top Layer w0.2: v1(48.3,13) 48.337,12.963 49.438,12.963 U3.8
  Bottom Layer w0.2: J6.2 28.758,23.632 28.758,22.074 30.831,20.002 41.298,20.002 44.821,16.479 v1(48.3,13)
NetJ6_3: J6.3 U3.9 | length 23.2
  Top Layer w0.2: v1(48.3,13.8) 48.312,13.788 49.463,13.788 U3.9
  Bottom Layer w0.2: J6.3 32.087,20.303 41.797,20.303 v1(48.3,13.8)
NetJ6_4: J6.4 U3.10 | length 24.9
  Top Layer w0.2: v1(48.3,14.7) 48.337,14.663 49.438,14.663 U3.10
  Bottom Layer w0.2: J6.4 31.2,23.73 31.2,22.172 32.767,20.605 42.269,20.605 48.066,14.808 48.124,14.808 48.232,14.7 v1(48.3,14.7)
NetJ6_5: J6.5 U3.11 | length 20
  Top Layer w0.2: v1(48.4,15.5) 48.412,15.488 49.463,15.488 U3.11
  Bottom Layer w0.2: J6.5 33.93,21 42.3,21 47.8,15.5 v1(48.4,15.5)
NetQ1_1: Q1.1 R6.1 | length 2.2
  Bottom Layer w0.3: R6.1 14,3 14.515,2.485 14.515,2.25 14.665,2.1 Q1.1
NetQ2_1: Q2.1 R8.1 | length 5.3
  Bottom Layer w0.2: Q2.1 8.35,4.75 8.35,4.45 9,3.8 10.6,3.8 11.25,4.45 11.25,5.45 R8.1
NetR1_2: R1.2 U3.40 | length 23.9
  Top Layer w0.2: U3.40 35.538,11.212 36.787,11.212 v1(36.8,11.2) ; v1(54.5,2.8) R1.2
  Bottom Layer w0.2: v1(36.8,11.2) 39,9 48.973,9 52.848,5.125 52.848,4.452 v1(54.5,2.8)
NetR2_2: R2.2 U3.39 | length 22.5
  Top Layer w0.2: U3.39 35.563,12.037 37.263,12.037 v1(37.3,12) ; v1(53.6,4.4) 54.3,4.4 R2.2
  Bottom Layer w0.2: v1(37.3,12) 39.97,9.33 49.07,9.33 53.6,4.8 v1(53.6,4.4)
NetR12_1: R12.1 R23.1 U1.1 | length 8.2
  Bottom Layer w0.2: R12.1 31.716,15.9 33.206,14.41 U1.1 36.435,14.41 37.325,15.3 R23.1
NetR13_1: R13.1 U1.9 U2.1 | length 10
  Top Layer w0.3: v1(26,12.598) 26,12.557 26.1,12.457 v1(26.1,8.9)
  Bottom Layer w0.3: R13.1 24.7,13.205 U2.1 25.419,13.14 25.419,13.138 25.959,12.598 v1(26,12.598) ; v1(26.1,8.9) 26.828,8.9 27.668,8.06 U1.9
NetR19_1: R19.1 U1.2 U1.11 | length 12.2
  Top Layer w0.3: R19.1 24.935,7.7 25.609,8.374 26.284,8.374 26.8,8.89 v1(26.8,10.2)
  Bottom Layer w0.3: v1(26.8,10.2) 26.8,10.241 27.2,10.641 28.359,10.641 U1.11 30.666,10.6 33.206,13.14 U1.2
NetR21_1: R21.1 U1.6 | length 7.6
  Top Layer w0.3: R21.1 31.336,7.6 31.62,7.884 v1(31.66,7.884)
  Bottom Layer w0.3: v1(31.66,7.884) 31.701,7.884 31.877,8.06 U1.6
NetR23_2: R23.2 U3.21 | length 9.6
  Top Layer w0.2: v1(37.5,18) 37.904,17.596 41.513,17.596 42.017,18.1 43.4,18.1 44.2,18.9 U3.21
  Bottom Layer w0.2: R23.2 37.5,17 v1(37.5,18)
NetR24_1: R24.1 U1.4 U1.5 | length 8.6
  Bottom Layer w0.2: U1.5 U1.4 33.988,10.65 35.05,10.65 38.9,14.5 R24.1@38.9,15.3
NetR24_2: R24.2 U3.22 | length 6.6
  Top Layer w0.2: v1(39.348,18.048) 39.885,18.585 42.876,18.585 43.35,19.059 U3.22
  Bottom Layer w0.2: R24.2@38.9,16.9 38.9,17.6 v1(39.348,18.048)
NetU1_3: U1.3 U1.8 | length 8.2
  Bottom Layer w0.3: U1.8 29.132,6.79 31.169,8.827 31.169,9.833 33.206,11.87 U1.3
NetU1_12: U1.12 U2.2 U2.3 | length 5
  Bottom Layer w0.3: U2.3 U2.2 U1.12
RS485_N: F3.2 J4.1 R15.1 | length 7.4
  Bottom Layer w0.2: J4.1 4.1,9.922 5,10.822 6.308,10.822 6.425,10.705 6.425,10.6 6.725,10.3 R15.1 6.875,10.3 7.497,10.922 8.071,10.922 8.947,10.046 F3.2
RS485_P: F2.2 J4.2 R15.2 | length 7.1
  Bottom Layer w0.2: J4.2 4.982,11.378 6.308,11.378 6.425,11.495 6.425,11.6 6.725,11.9 R15.2 7.1,11.6 7.378,11.6 7.5,11.478 8.071,11.478 8.947,12.354 F2.2
RS485F_N: D8.2 D9.1 F3.1 R16.2 U2.6 | length 12.6
  Top Layer w0.2: v1(16.2,9) R16.2
  Bottom Layer w0.2: F3.1 13.257,9.603 13.257,10.805 13.374,10.922 13.609,10.922 13.709,10.822 16.083,10.822 16.2,10.704 D8.2@16.2,10.052 ; D9.1@16.2,7.673 D9.1 v1(16.2,9) D8.2 D8.2@16.2,10.052 ; U2.6 18.422,10.6 18.065,10.957 17,10.957 16.758,10.715 16.758,10.61 D8.2@16.2,10.052
RS485F_P: D1.2 D8.1 F2.1 R14.1 U2.7 | length 12
  Top Layer w0.2: R14.1 v1(16.2,13.2)
  Bottom Layer w0.2: F2.1 13.257,12.797 13.257,11.595 13.374,11.478 13.839,11.478 13.939,11.378 16.083,11.378 16.2,11.495 D8.1@16.2,12.148 ; D1.2@16.2,14.1 v1(16.2,13.2) D8.1 D8.1@16.2,12.148 ; U2.7 18.422,11.87 18.065,11.513 16.834,11.513 D8.1@16.2,12.148
USB_N: D5.1 IC1.5 J1.A7 J1.B7 | length 20.6
  Top Layer w0.3: J1.A7 57.676,22.125 57.45,21.899 57.45,21.371 57.696,21.125 58.852,21.125 58.856,21.13 59.876,21.13 61,20.006 61,16 62.354,14.646 62.354,10.87 62.3,10.816 62.3,10.55 D5.1@62.25,10.5 ; IC1.5 59,9.2 59.004,9.196 61.796,9.196 62.4,9.8 62.4,10 62.3,10.1 62.3,10.45 D5.1@62.25,10.5 ; D5.1 D5.1@62.25,10.5
USB_P: D4.1 IC1.4 J1.A6 J1.B6 | length 21.5
  Top Layer w0.3: J1.A6 58.852,21.625 58.856,21.621 59.168,21.621 ; J1.B6 59.007,22.625 59.253,22.379 59.253,21.706 59.168,21.621 ; IC1.4 59,8.7 59.004,8.704 61.999,8.704 62.891,9.597 62.891,10 62.9,10.009 62.9,10.45 D4.1@62.95,10.5 ; D4.1 D4.1@62.95,10.5 ; 59.168,21.621 60.079,21.621 61.491,20.209 61.491,16.203 62.846,14.849 62.846,10.87 62.9,10.816 62.9,10.55 D4.1@62.95,10.5
VBUS: D2.2 D3.2 J1.A4 J1.A9 J1.B4 J1.B9 R7.1 | length 29.3
  Top Layer w0.3: J1.A4 J1.B9 ; J1.B4 J1.A9
  Top Layer w0.5: D2.2 55.698,24.775 55.823,24.775 56.454,24.144 56.961,24.144 v2(56.999,24.106) 57.053,24.106 57.247,24.3 57.7,24.3 ; v2(57,19.8) 57.054,19.8 57.354,19.5 57.7,19.5
  PWR w0.5: v2(56.999,24.106) v2(57,19.8) 57,10.2 v1(60.2,7)
  Bottom Layer w0.5: R7.1 56.9,8.7 58.6,7 v1(60.2,7) ; v2(56.999,24.106) 57.037,24.068 57.037,23.589 D3.2
pads on no net: IC1.1 IC1.2 IC1.10 IC1.12 IC1.13 IC1.14 IC1.15 IC1.16 IC1.17 IC1.18 IC1.19 IC1.20 IC1.21 IC1.22 IC1.23 IC1.27 J1. J1.A8 J1.B8 U3.5 U3.6 U3.12 U3.13 U3.14 U3.15 U3.16 U3.17 U3.18 U3.19 U3.20 U3.23 U3.24 U3.25 U3.26 U3.27 U3.28 U3.29 U3.30 U3.31 U3.32 U3.33 U3.34 U3.41 U3.44

## Polygon pours and split planes (outlines as drawn)
GND on Bottom Layer "GND_L04_P005" (solid, pour order 5): 24.1,25.1 26.3,27.3 49.4,27.3 50.5,28.4 50.5,46.8 51.7,48 63.46,48 cw(c63.46,45.46) 66,45.46 66,2.54 cw(c63.46,2.54) 63.46,0 2.54,0 cw(c2.54,2.54) 0,2.54 0,23.8 1.3,25.1
3V3 on Bottom Layer "3V3_L04_P003" (solid, pour order 3): 51.5,38.8 50.9,38.2 50.9,34.8 51.4,34.3 59.4,34.3 61.2,36.1 61.2,37.3 59.7,38.8 56,38.8
GND on GND "GND_L03_P001" (solid, pour order 1): 24.1,25.1 26.3,27.3 49.4,27.3 50.5,28.4 50.5,46.8 51.7,48 63.46,48 cw(c63.46,45.46) 66,45.46 66,2.54 cw(c63.46,2.54) 63.46,0 2.54,0 cw(c2.54,2.54) 0,2.54 0,23.8 1.3,25.1
3V3 on PWR "3V3_L02_P002" (solid, pour order 2): 50.5,46.8 50.5,27.2 48.5,25.2 36.5,25.2 28.5,17.2 10.7,17.2 7.7,14.2 7.7,1.2 8.9,0 63.46,0 ccw(c63.46,2.54) 66,2.54 66,45.46 ccw(c63.46,45.46) 63.46,48 51.7,48
GND on Top Layer "GND_L01_P004" (solid, pour order 4): 24.1,25.1 26.3,27.3 49.4,27.3 50.5,28.4 50.5,29.2 50.5,46.8 51.7,48 63.46,48 cw(c63.46,45.46) 66,45.46 66,2.54 cw(c63.46,2.54) 63.46,0 2.54,0 cw(c2.54,2.54) 0,2.54 0,23.8 1.3,25.1

## Other copper
Top Layer:
  pour cut-out: 58.2,9.5 61,9.5 61.5,10 61.5,14.5 60.455,15.545 60.455,19.745 59.4,20.8 57.1,20.8 56.6,21.3 56.6,22.6 57,23 60.3,23 62.1,21.2 62.1,17.1 63.8,15.4 63.8,9.5 62.748,8.448 58.152,8.448 58.1,8.5 58.1,9.4
Bottom Layer:
  pour cut-out: 2.1,14.9 4.5,17.3 16.5,17.3 17.1,16.7 17.1,13.028 17.405,12.723 20.177,12.723 20.6,12.3 20.6,10.6 20.1,10.1 17.6,10.1 17.1,9.6 17.1,5.1 16.7,4.7 15.343,4.7 13.702,6.342 4.258,6.342 2.1,8.5

## Silkscreen, mask and mechanical layers (free items; w line width, h text height)
Top Overlay:
  lines w0.2: 7.9,14.5 7.9,15.1 ; 8.3,14.2 8.3,15.4 ; 8.7,13.7 8.7,15.9 ; 8.7,14.8 10.7,14.8 ; 9.25,27.55 10,26.8 10,29 9.3,29.7 ; 9.25,28.65 10,27.9 12,27.9
  lines w0.254: 16.1,19.7 23.6,19.7 23.6,24.2 16.1,24.2 16.1,19.7 ; 16.1,24.9 23.6,24.9 23.6,29.4 16.1,29.4 16.1,24.9
  text "L" at 9.3,38.5 h1.52 r270
  text "PWR" at 62.4,38.3 h0.8
  text "N" at 9.3,33.5 h1.52 r270
  text "EARTH / || / COM" at 23,24.734 h0.8 r90
  text "I/O" at 25.5,22.7 h0.8 r90
  text "JTAG" at 41.9,22.3 h0.8 r90
  text "GND" at 7.9,21.4 h1.52
  text "GND / || / COM" at 23,19.534 h0.8 r90
  text "5V" at 7.9,18.7 h1.52
  text "HuaweiInverter / ModbusRTU" at 18.7,16.1 h1
  text "B" at 7.9,11.5 h1.52
  text "A" at 7.9,8.8 h1.52
  text "EN" at 22.1,2.7 h0.8 r90
  text "BOOT" at 8.5,2 h0.8 r90
  text "Tx" at 25.16,0.7 h0.8 r90
  text "Rx" at 26.8,0.7 h0.8 r90
Bottom Overlay:
  rectangle: 26.706,40.8 53.4,42.88
  text "HuaweiInverter_ModbusRTUv1.1" at 53.4,44.8 h1
  text "By jcortiz" at 53.4,43 h1
  text "GND" at 48.6,26.9 h0.8 r270
  text "TDO" at 45.922,26.843 h0.8 r270
  text "TCK" at 43.3,26.8 h0.8 r270
  text "TMS" at 48.622,18.543 h0.8 r270
  text "VCC" at 43.4,18.5 h0.8 r270
  text "TDI" at 46.1,18.5 h0.8 r270
Mechanical 1:
  circle w0.254: c63,3 r4
  circle w0.254: c63,45 r4
  circle w0.254: c3,3 r4
  circle w0.254: c3,45 r4
  text ".Pcb_File_Name_No_Path" at 0,-54.5 h1.52